# KiCad board Quanta75_BareRP2040_JLCPCBAoptimized.kicad_pcb
title: Quanta Keyboard PCB (Bare RP2040 JLCPCBA optimized); date: 2023-06-11; rev: 3.3; company: 0bsilab; note: by Lucas Placentino; note: Version with bare RP2040 microcontroller; note: JLCPCB Assembly service optimized
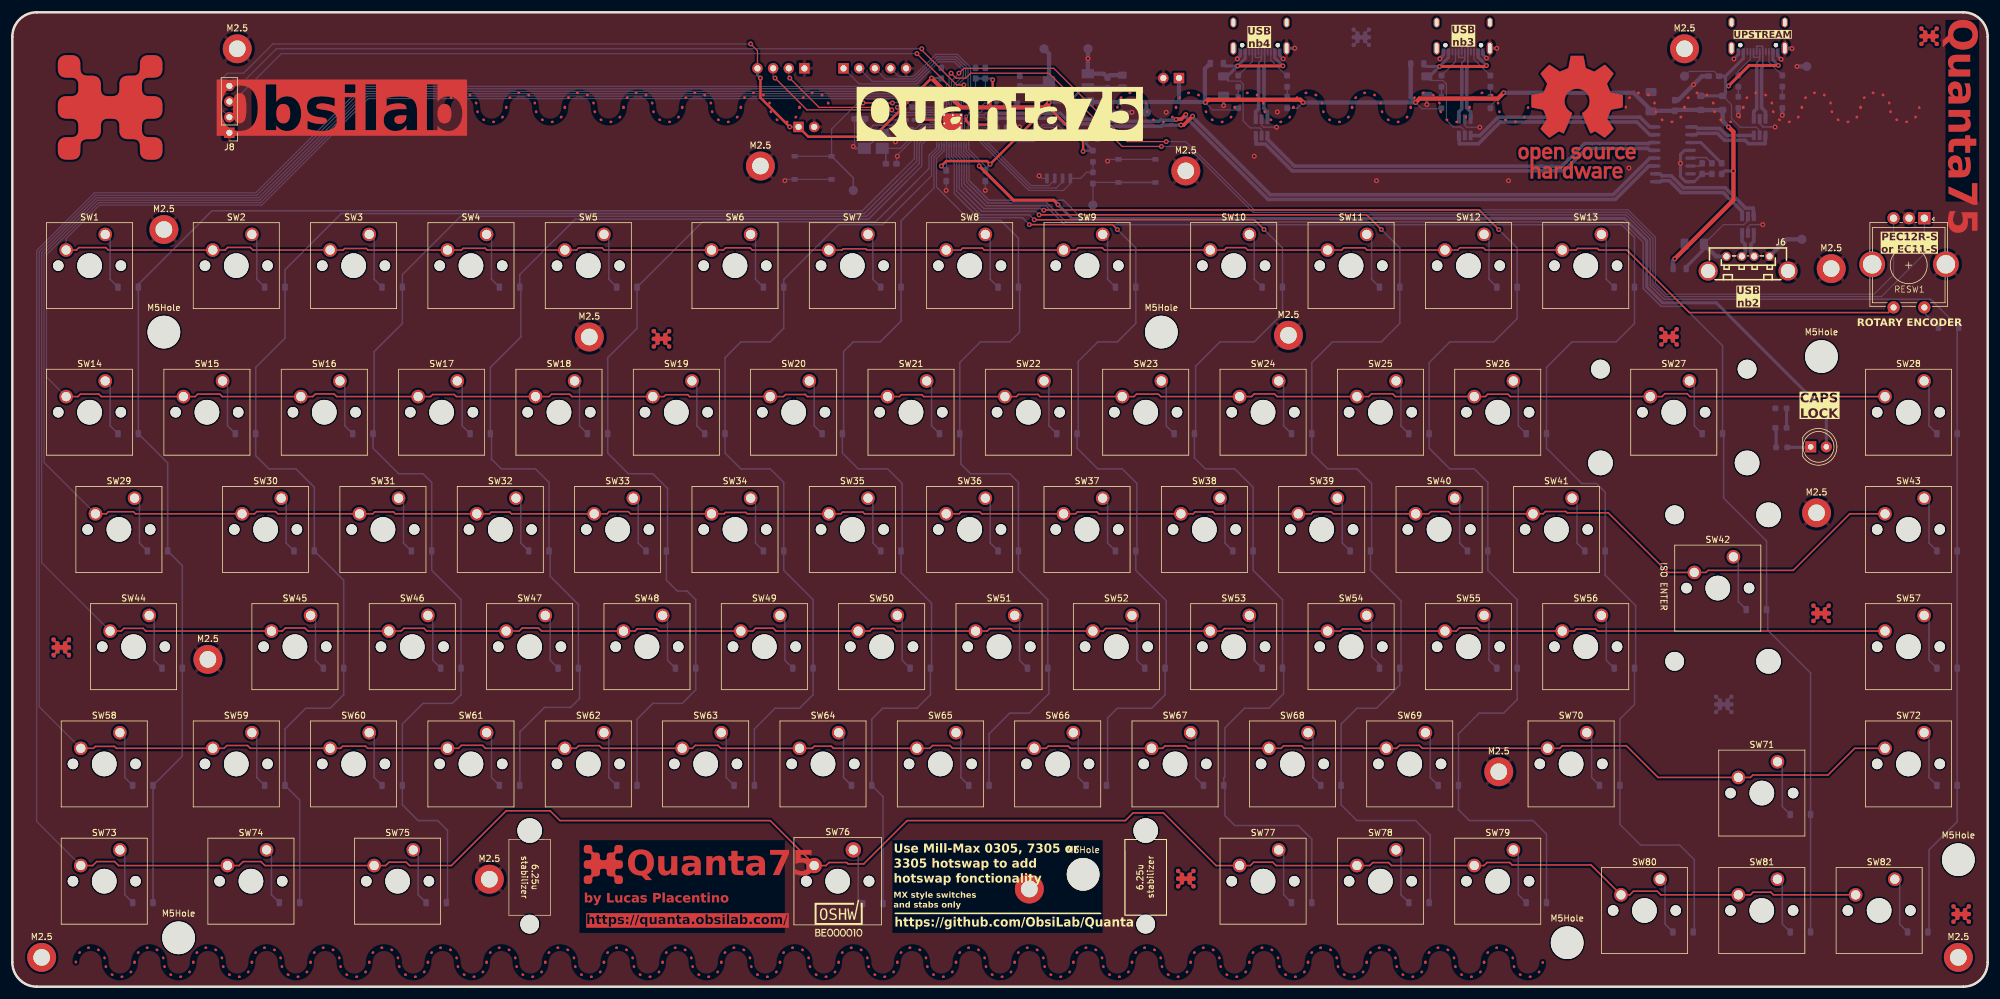
[diagram p0: board, top side]
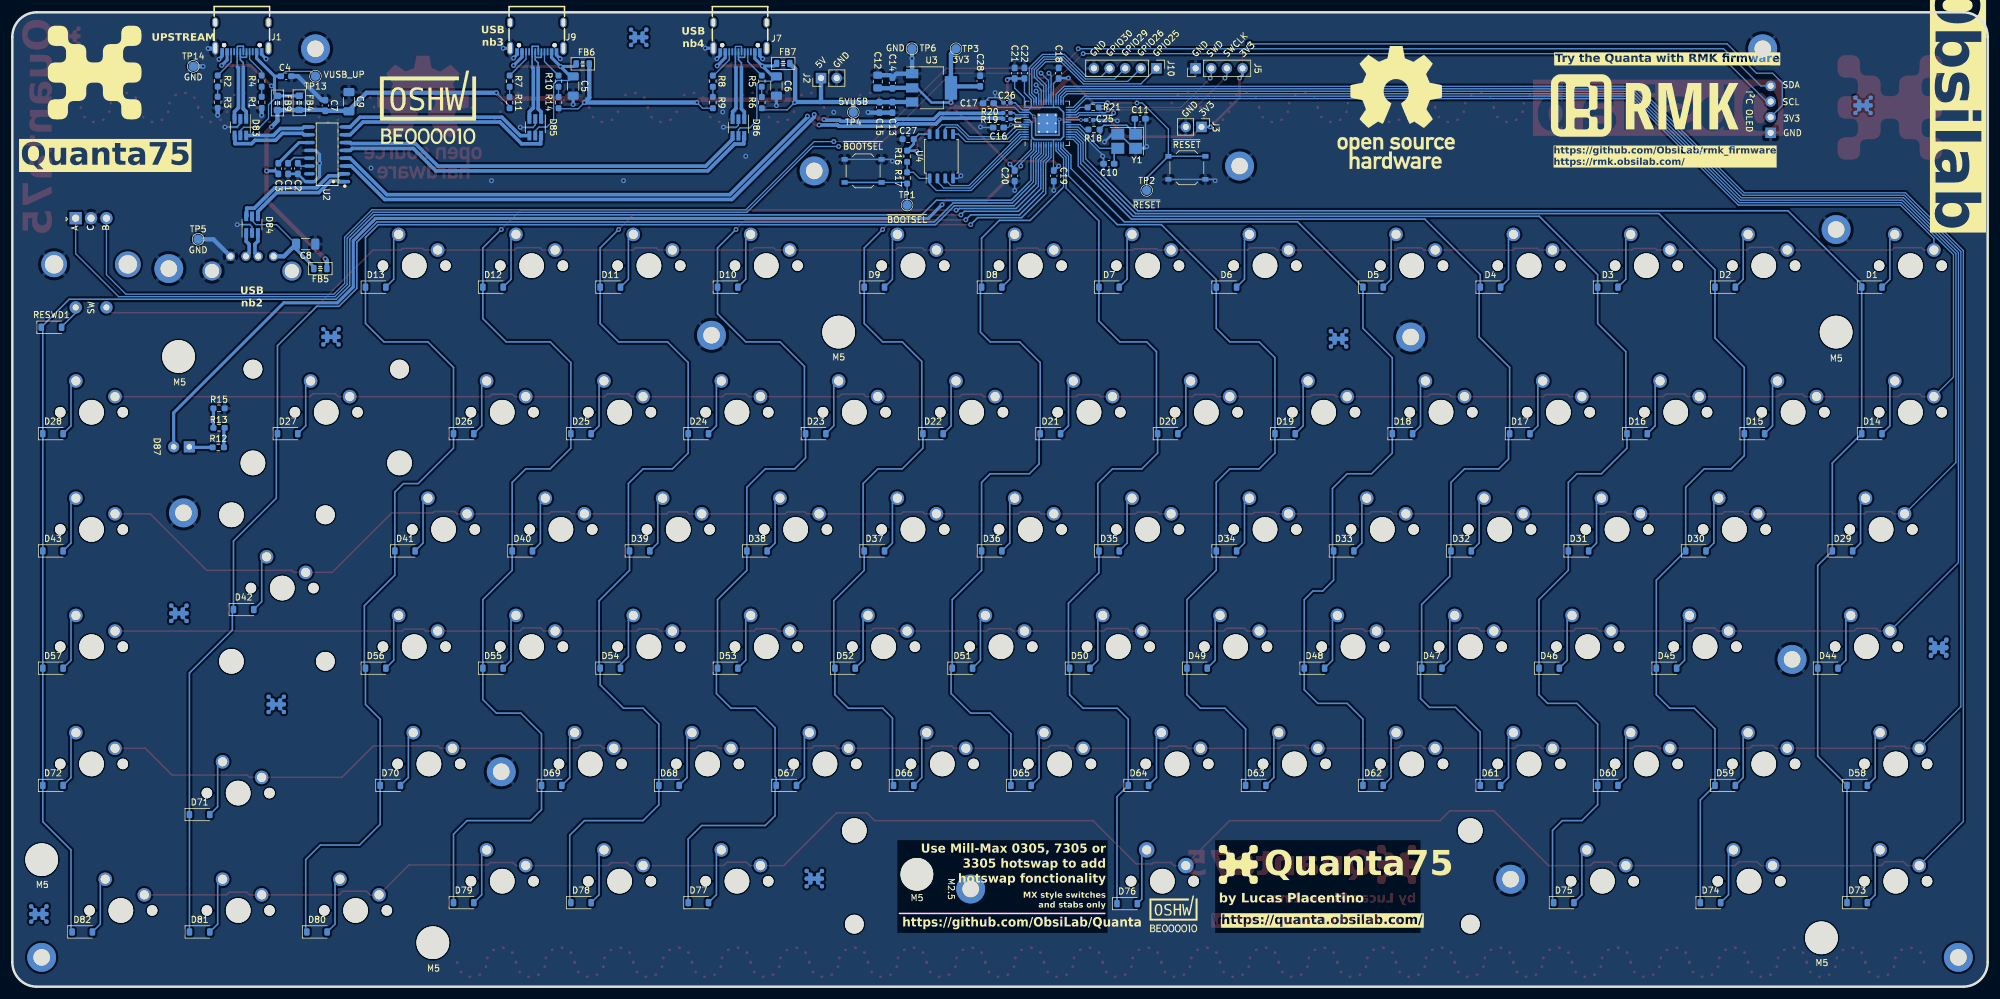
[diagram p1: board, bottom side, seen from below]

Outline 320.68 x 158.32 mm; copper layers: Top, Bottom. Coordinates in mm from the lower left corner of the outline.
Outline path: 0,3.97 0,154.36 arc(1.16,157.16) 3.97,158.32 316.71,158.32 arc(319.51,157.16) 320.68,154.36 320.68,3.97 arc(319.51,1.16) 316.71,0 3.97,0 arc(1.16,1.16) 0,3.97
Stack: Top 0.035mm / dielectric 1.51mm FR4 er 4.5 / Bottom 0.035mm

## Placement (name value [footprint] x y rotation side)
6.25u stabilizer  -  [Stabilizer_Cherry_MX_6.25u]  133.99 17.15 180 top
C1  10uF  [C_0603_1608Metric_Pad1.08x0.95mm_HandSolder]  275.9 132.93 270 bottom
C2  10uF  [C_0603_1608Metric_Pad1.08x0.95mm_HandSolder]  274.33 132.94 270 bottom
C3  100nF  [C_0603_1608Metric_Pad1.08x0.95mm_HandSolder]  277.49 132.93 270 bottom
C4  10uF  [C_0603_1608Metric_Pad1.08x0.95mm_HandSolder]  276.23 147.95 0 bottom
C5  100uF  [C_1206_3216Metric_Pad1.33x1.80mm_HandSolder]  229.63 146.35 270 bottom
C6  100uF  [C_1206_3216Metric_Pad1.33x1.80mm_HandSolder]  196.63 146.35 270 bottom
C7  100nF  [C_0603_1608Metric_Pad1.08x0.95mm_HandSolder]  269.88 143.18 270 bottom
C8  100uF  [C_1206_3216Metric_Pad1.33x1.80mm_HandSolder]  273.05 120.65 0 bottom
C9  100uF  [C_1206_3216Metric_Pad1.33x1.80mm_HandSolder]  266.03 143.8 270 bottom
C10  30pF  [C_0603_1608Metric_Pad1.08x0.95mm_HandSolder]  142.67 133.72 0 bottom
C11  30pF  [C_0603_1608Metric_Pad1.08x0.95mm_HandSolder]  137.59 141.03 180 bottom
C12  22uF  [C_0805_2012Metric_Pad1.18x1.45mm_HandSolder]  180.18 147.08 90 bottom
C13  100nF  [C_0603_1608Metric_Pad1.08x0.95mm_HandSolder]  177.8 142.88 270 bottom
C14  100nF  [C_0603_1608Metric_Pad1.08x0.95mm_HandSolder]  177.8 146.84 90 bottom
C15  10uF  [C_0603_1608Metric_Pad1.08x0.95mm_HandSolder]  179.9 142.89 90 bottom
C16  100nF  [C_0603_1608Metric_Pad1.08x0.95mm_HandSolder]  160.6 139.61 0 bottom
C17  100nF  [C_0603_1608Metric_Pad1.08x0.95mm_HandSolder]  162.23 143.55 0 bottom
C18  100nF  [C_0603_1608Metric_Pad1.08x0.95mm_HandSolder]  150.81 148.43 90 bottom
C19  100nF  [C_0603_1608Metric_Pad1.08x0.95mm_HandSolder]  151.61 131.76 270 bottom
C20  100nF  [C_0603_1608Metric_Pad1.08x0.95mm_HandSolder]  157.96 131.76 270 bottom
C21  100nF  [C_0603_1608Metric_Pad1.08x0.95mm_HandSolder]  157.96 148.43 90 bottom
C22  100nF  [C_0603_1608Metric_Pad1.08x0.95mm_HandSolder]  156.37 148.43 90 bottom
C25  1uF  [C_0402_1005Metric_Pad0.74x0.62mm_HandSolder]  145.78 140.83 180 bottom
C26  1uF  [C_0402_1005Metric_Pad0.74x0.62mm_HandSolder]  159.19 143.62 0 bottom
C27  100nF  [R_0603_1608Metric_Pad0.98x0.95mm_HandSolder]  175.24 137.72 0 bottom
C28  10uF  [C_0603_1608Metric_Pad1.08x0.95mm_HandSolder]  163.56 147.16 270 bottom
D1  DIODE  [D_SOD-123]  18.81 113.67 180 bottom
D2  DIODE  [D_SOD-123]  42.62 113.67 180 bottom
D3  DIODE  [D_SOD-123]  61.67 113.67 180 bottom
D4  DIODE  [D_SOD-123]  80.72 113.67 180 bottom
D5  DIODE  [D_SOD-123]  99.77 113.67 180 bottom
D6  DIODE  [D_SOD-123]  123.58 113.67 180 bottom
D7  DIODE  [D_SOD-123]  142.63 113.67 180 bottom
D8  DIODE  [D_SOD-123]  161.68 113.67 180 bottom
D9  DIODE  [D_SOD-123]  180.73 113.67 180 bottom
D10  DIODE  [D_SOD-123]  204.54 113.67 180 bottom
D11  DIODE  [D_SOD-123]  223.59 113.67 180 bottom
D12  DIODE  [D_SOD-123]  242.64 113.67 180 bottom
D13  DIODE  [D_SOD-123]  261.69 113.67 180 bottom
D14  DIODE  [D_SOD-123]  18.81 89.86 180 bottom
D15  DIODE  [D_SOD-123]  37.86 89.86 180 bottom
D16  DIODE  [D_SOD-123]  56.91 89.86 180 bottom
D17  DIODE  [D_SOD-123]  75.96 89.86 180 bottom
D18  DIODE  [D_SOD-123]  95.01 89.86 180 bottom
D19  DIODE  [D_SOD-123]  114.06 89.86 180 bottom
D20  DIODE  [D_SOD-123]  133.11 89.86 180 bottom
D21  DIODE  [D_SOD-123]  152.16 89.86 180 bottom
D22  DIODE  [D_SOD-123]  171.21 89.86 180 bottom
D23  DIODE  [D_SOD-123]  190.26 89.86 180 bottom
D24  DIODE  [D_SOD-123]  209.31 89.86 180 bottom
D25  DIODE  [D_SOD-123]  228.36 89.86 180 bottom
D26  DIODE  [D_SOD-123]  247.41 89.86 180 bottom
D27  DIODE  [D_SOD-123]  275.98 89.86 180 bottom
D28  DIODE  [D_SOD-123]  314.08 89.86 180 bottom
D29  DIODE  [D_SOD-123]  23.57 70.81 180 bottom
D30  DIODE  [D_SOD-123]  47.38 70.81 180 bottom
D31  DIODE  [D_SOD-123]  66.43 70.81 180 bottom
D32  DIODE  [D_SOD-123]  85.48 70.81 180 bottom
D33  DIODE  [D_SOD-123]  104.53 70.81 180 bottom
D34  DIODE  [D_SOD-123]  123.58 70.81 180 bottom
D35  DIODE  [D_SOD-123]  142.63 70.81 180 bottom
D36  DIODE  [D_SOD-123]  161.68 70.81 180 bottom
D37  DIODE  [D_SOD-123]  180.73 70.81 180 bottom
D38  DIODE  [D_SOD-123]  199.78 70.81 180 bottom
D39  DIODE  [D_SOD-123]  218.83 70.81 180 bottom
D40  DIODE  [D_SOD-123]  237.88 70.81 180 bottom
D41  DIODE  [D_SOD-123]  256.93 70.81 180 bottom
D42  DIODE  [D_SOD-123]  283.13 61.28 180 bottom
D43  DIODE  [D_SOD-123]  314.08 70.81 180 bottom
D44  DIODE  [D_SOD-123]  25.95 51.76 180 bottom
D45  DIODE  [D_SOD-123]  52.14 51.76 180 bottom
D46  DIODE  [D_SOD-123]  71.19 51.76 180 bottom
D47  DIODE  [D_SOD-123]  90.24 51.76 180 bottom
D48  DIODE  [D_SOD-123]  109.29 51.76 180 bottom
D49  DIODE  [D_SOD-123]  128.34 51.76 180 bottom
D50  DIODE  [D_SOD-123]  147.39 51.76 180 bottom
D51  DIODE  [D_SOD-123]  166.44 51.76 180 bottom
D52  DIODE  [D_SOD-123]  185.49 51.76 180 bottom
D53  DIODE  [D_SOD-123]  204.54 51.76 180 bottom
D54  DIODE  [D_SOD-123]  223.59 51.76 180 bottom
D55  DIODE  [D_SOD-123]  242.64 51.76 180 bottom
D56  DIODE  [D_SOD-123]  261.69 51.76 180 bottom
D57  DIODE  [D_SOD-123]  314.08 51.76 180 bottom
D58  DIODE  [D_SOD-123]  21.19 32.71 180 bottom
D59  DIODE  [D_SOD-123]  42.62 32.71 180 bottom
D60  DIODE  [D_SOD-123]  61.67 32.71 180 bottom
D61  DIODE  [D_SOD-123]  80.72 32.71 180 bottom
D62  DIODE  [D_SOD-123]  99.77 32.71 180 bottom
D63  DIODE  [D_SOD-123]  118.82 32.71 180 bottom
D64  DIODE  [D_SOD-123]  137.87 32.71 180 bottom
D65  DIODE  [D_SOD-123]  156.92 32.71 180 bottom
D66  DIODE  [D_SOD-123]  175.97 32.71 180 bottom
D67  DIODE  [D_SOD-123]  195.02 32.71 180 bottom
D68  DIODE  [D_SOD-123]  214.07 32.71 180 bottom
D69  DIODE  [D_SOD-123]  233.12 32.71 180 bottom
D70  DIODE  [D_SOD-123]  259.31 32.71 180 bottom
D71  DIODE  [D_SOD-123]  290.27 27.97 180 bottom
D72  DIODE  [D_SOD-123]  314.08 32.71 180 bottom
D73  DIODE  [D_SOD-123]  21.19 13.66 180 bottom
D74  DIODE  [D_SOD-123]  45 13.66 180 bottom
D75  DIODE  [D_SOD-123]  68.81 13.66 180 bottom
D76  DIODE  [D_SOD-123]  139.7 13.49 180 bottom
D77  DIODE  [D_SOD-123]  209.31 13.66 180 bottom
D78  DIODE  [D_SOD-123]  228.36 13.66 180 bottom
D79  DIODE  [D_SOD-123]  247.41 13.66 180 bottom
D80  DIODE  [D_SOD-123]  271.22 8.89 180 bottom
D81  DIODE  [D_SOD-123]  290.27 8.89 180 bottom
D82  DIODE  [D_SOD-123]  309.32 8.89 180 bottom
D83  USBLC6-2SC6  [SOT-23-6_Handsoldering]  283.66 139.66 270 bottom
D84  USBLC6-2SC6  [SOT-23-6_Handsoldering]  281.76 123.83 90 bottom
D85  USBLC6-2SC6  [SOT-23-6_Handsoldering]  235.78 139.64 270 bottom
D86  USBLC6-2SC6  [SOT-23-6_Handsoldering]  202.8 139.61 270 bottom
D87  Amber LED  [LED_D5.0mm_Clear]  291.94 87.72 0 top
FB4  100R 800mA  [Ferrite_0805_2012Metric_Pad1.05x1.20mm_BigPads]  274.11 143.61 270 bottom
FB5  600R 500mA  [Ferrite_0805_2012Metric]  270.67 116.68 0 bottom
FB6  600R 500mA  [Ferrite_0805_2012Metric]  228.08 149.94 0 bottom
FB7  600R 500mA  [Ferrite_0805_2012Metric]  195.53 150.02 0 bottom
FB9  100R 800mA  [Ferrite_0805_2012Metric_Pad1.05x1.20mm_BigPads]  277.65 143.59 270 bottom
G***  -  [LOGO]  134.14 11.11 0 top
G***#2  -  [LOGO]  253.21 142.88 180 bottom
G***#3  -  [LOGO]  132.18 11.81 180 bottom
J1  USB_C_Receptacle_USB2.0  [USB-C-SMD_G-SWITCH_GT-USB-7010EN]  283.41 154.3 0 bottom
J2  Conn_01x02_Socket VBUS 5V  [PinHeader_1x02_P2.54mm_Vertical]  189.39 147.64 90 bottom
J3  Conn_01x02_Socket 3V3  [PinHeader_1x02_P2.54mm_Vertical]  127.64 139.7 270 bottom
J5  Conn_01x04_Socket SWD  [PinHeader_1x04_P2.54mm_Vertical]  128.59 149.22 90 bottom
J6  USB_A_Receptacle_UBS2.0  [USB-A-TH_KH-AF180ZJ-13.7]  281.78 117.47 0 top
J7  USB_C_Receptacle_USB2.0  [USB-C-SMD_G-SWITCH_GT-USB-7010EN]  202.54 154.28 0 bottom
J8  Conn_01x04_Socket I2C display  [PinHeader_1x04_P2.54mm_Vertical]  35.24 138.75 180 top
J9  USB_C_Receptacle_USB2.0  [USB-C-SMD_G-SWITCH_GT-USB-7010EN]  235.53 154.28 0 bottom
J10  Conn_01x05_Socket GPIOs  [PinHeader_1x05_P2.54mm_Vertical]  134.93 149.22 270 bottom
M2.5  -  [MountingHole_2.7mm_M2.5_DIN965_Pad]  292.89 76.99 0 top
M2.5#2  -  [MountingHole_2.7mm_M2.5_DIN965_Pad]  93.66 105.57 0 top
M2.5#3  -  [MountingHole_2.7mm_M2.5_DIN965_Pad]  315.91 4.76 0 top
M2.5#4  -  [MountingHole_2.7mm_M2.5_DIN965_Pad]  31.75 53.18 0 top
M2.5#5  -  [MountingHole_2.7mm_M2.5_DIN965_Pad]  295.28 116.68 0 top
M2.5#6  -  [MountingHole_2.7mm_M2.5_DIN965_Pad]  207.17 105.85 0 top
M2.5#7  -  [MountingHole_2.7mm_M2.5_DIN965_Pad]  271.46 152.4 0 top
M2.5#8  -  [MountingHole_2.7mm_M2.5_DIN965_Pad]  190.5 132.56 0 top
M2.5#9  -  [MountingHole_2.7mm_M2.5_DIN965_Pad]  36.51 152.4 0 top
M2.5#10  -  [MountingHole_2.7mm_M2.5_DIN965_Pad]  24.61 123.03 0 top
M2.5#11  -  [MountingHole_2.7mm_M2.5_DIN965_Pad]  77.44 17.46 0 top
M2.5#12  -  [MountingHole_2.7mm_M2.5_DIN965_Pad]  241.3 34.93 0 top
M2.5#13  -  [MountingHole_2.7mm_M2.5_DIN965_Pad]  121.44 133.35 0 top
M2.5#14  -  [MountingHole_2.7mm_M2.5_DIN965_Pad]  4.76 4.76 0 top
M2.5#15  -  [MountingHole_2.7mm_M2.5_DIN965_Pad]  165.1 15.88 0 top
M5Hole  -  [MountingHole_5.3mm_M5]  315.91 20.64 0 top
M5Hole#2  -  [MountingHole_5.3mm_M5]  186.53 106.36 0 top
M5Hole#3  -  [MountingHole_5.3mm_M5]  24.61 106.36 0 top
M5Hole#4  -  [MountingHole_5.3mm_M5]  173.83 18.26 0 top
M5Hole#5  -  [MountingHole_5.3mm_M5]  293.69 102.39 0 top
M5Hole#6  -  [MountingHole_5.3mm_M5]  26.99 7.94 0 top
M5Hole#7  -  [MountingHole_5.3mm_M5]  252.41 7.14 0 top
OSHW-logo  -  [OSHW-Logo_19x20mm_Copper]  96.04 142.88 180 bottom
Quanta***  LOGO  [Quanta-logo]  15.88 142.88 0 top
R1  120R  [R_0603_1608Metric_Pad0.98x0.95mm_HandSolder]  280.19 143.69 270 bottom
R2  4k99  [R_0603_1608Metric_Pad0.98x0.95mm_HandSolder]  287.34 147.15 270 bottom
R3  120R  [R_0603_1608Metric_Pad0.98x0.95mm_HandSolder]  287.34 143.7 270 bottom
R4  4k99  [R_0603_1608Metric_Pad0.98x0.95mm_HandSolder]  280.19 147.15 270 bottom
R5  43k  [R_0603_1608Metric_Pad0.98x0.95mm_HandSolder]  199.01 147.14 270 bottom
R6  15k  [R_0603_1608Metric_Pad0.98x0.95mm_HandSolder]  199.01 143.66 270 bottom
R7  43k  [R_0603_1608Metric_Pad0.98x0.95mm_HandSolder]  239.95 147.14 270 bottom
R8  43k  [R_0603_1608Metric_Pad0.98x0.95mm_HandSolder]  206.95 147.14 270 bottom
R9  15k  [R_0603_1608Metric_Pad0.98x0.95mm_HandSolder]  206.95 143.66 270 bottom
R10  43k  [R_0603_1608Metric_Pad0.98x0.95mm_HandSolder]  232.01 147.14 270 bottom
R11  15k  [R_0603_1608Metric_Pad0.98x0.95mm_HandSolder]  239.95 143.65 270 bottom
R12  120R  [R_0603_1608Metric_Pad0.98x0.95mm_HandSolder]  287.24 87.63 180 bottom
R13  120R  [R_0603_1608Metric_Pad0.98x0.95mm_HandSolder]  287.12 90.81 0 bottom
R14  15k  [R_0603_1608Metric_Pad0.98x0.95mm_HandSolder]  232 143.66 270 bottom
R15  120R  [R_0603_1608Metric_Pad0.98x0.95mm_HandSolder]  287.12 93.98 180 bottom
R16  10K  [R_0603_1608Metric_Pad0.98x0.95mm_HandSolder]  175.42 134.94 90 bottom
R17  1K5  [R_0603_1608Metric_Pad0.98x0.95mm_HandSolder]  175.42 131.41 90 bottom
R18  1K5  [R_0603_1608Metric_Pad0.98x0.95mm_HandSolder]  145.08 139.28 180 bottom
R19  22R  [R_0402_1005Metric_Pad0.72x0.64mm_HandSolder]  159.23 140.98 0 bottom
R20  22R  [R_0402_1005Metric_Pad0.72x0.64mm_HandSolder]  159.23 142 0 bottom
R21  15k  [R_0603_1608Metric_Pad0.98x0.95mm_HandSolder]  145.21 142.88 180 bottom
REF**  -  [OSHW-Logo_19x20mm_Copper]  254 141.29 0 top
RESW1  RotaryEncoder_Switch  [RotaryEncoder_both_AlpsEC11E-S_BournsPEC12R-3-S]  298.45 117.28 270 top
RESWD1  DIODE  [D_SOD-123]  314.33 107.16 180 bottom
SW1  SW_Push  [SW_Cherry_MX_1.00u_PCB]  15.08 122.24 0 top
SW2  SW_Push  [SW_Cherry_MX_1.00u_PCB]  38.89 122.24 0 top
SW3  SW_Push  [SW_Cherry_MX_1.00u_PCB]  57.94 122.24 0 top
SW4  SW_Push  [SW_Cherry_MX_1.00u_PCB]  76.99 122.24 0 top
SW5  SW_Push  [SW_Cherry_MX_1.00u_PCB]  96.04 122.24 0 top
SW6  SW_Push  [SW_Cherry_MX_1.00u_PCB]  119.86 122.24 0 top
SW7  SW_Push  [SW_Cherry_MX_1.00u_PCB]  138.91 122.24 0 top
SW8  SW_Push  [SW_Cherry_MX_1.00u_PCB]  157.96 122.24 0 top
SW9  SW_Push  [SW_Cherry_MX_1.00u_PCB]  177.01 122.24 0 top
SW10  SW_Push  [SW_Cherry_MX_1.00u_PCB]  200.82 122.24 0 top
SW11  SW_Push  [SW_Cherry_MX_1.00u_PCB]  219.87 122.24 0 top
SW12  SW_Push  [SW_Cherry_MX_1.00u_PCB]  238.92 122.24 0 top
SW13  SW_Push  [SW_Cherry_MX_1.00u_PCB]  257.97 122.24 0 top
SW14  SW_Push  [SW_Cherry_MX_1.00u_PCB]  15.08 98.43 0 top
SW15  SW_Push  [SW_Cherry_MX_1.00u_PCB]  34.13 98.43 0 top
SW16  SW_Push  [SW_Cherry_MX_1.00u_PCB]  53.18 98.43 0 top
SW17  SW_Push  [SW_Cherry_MX_1.00u_PCB]  72.23 98.43 0 top
SW18  SW_Push  [SW_Cherry_MX_1.00u_PCB]  91.28 98.43 0 top
SW19  SW_Push  [SW_Cherry_MX_1.00u_PCB]  110.33 98.43 0 top
SW20  SW_Push  [SW_Cherry_MX_1.00u_PCB]  129.38 98.43 0 top
SW21  SW_Push  [SW_Cherry_MX_1.00u_PCB]  148.43 98.43 0 top
SW22  SW_Push  [SW_Cherry_MX_1.00u_PCB]  167.48 98.43 0 top
SW23  SW_Push  [SW_Cherry_MX_1.00u_PCB]  186.53 98.43 0 top
SW24  SW_Push  [SW_Cherry_MX_1.00u_PCB]  205.58 98.43 0 top
SW25  SW_Push  [SW_Cherry_MX_1.00u_PCB]  224.63 98.43 0 top
SW26  SW_Push  [SW_Cherry_MX_1.00u_PCB]  243.68 98.43 0 top
SW27  SW_Push  [SW_Cherry_MX_2.00u_PCB]  272.26 98.43 0 top
SW28  SW_Push  [SW_Cherry_MX_1.00u_PCB]  310.36 98.43 0 top
SW29  SW_Push  [SW_Cherry_MX_1.50u_PCB]  19.84 79.38 0 top
SW30  SW_Push  [SW_Cherry_MX_1.00u_PCB]  43.66 79.38 0 top
SW31  SW_Push  [SW_Cherry_MX_1.00u_PCB]  62.71 79.38 0 top
SW32  SW_Push  [SW_Cherry_MX_1.00u_PCB]  81.76 79.38 0 top
SW33  SW_Push  [SW_Cherry_MX_1.00u_PCB]  100.81 79.38 0 top
SW34  SW_Push  [SW_Cherry_MX_1.00u_PCB]  119.86 79.38 0 top
SW35  SW_Push  [SW_Cherry_MX_1.00u_PCB]  138.91 79.38 0 top
SW36  SW_Push  [SW_Cherry_MX_1.00u_PCB]  157.96 79.38 0 top
SW37  SW_Push  [SW_Cherry_MX_1.00u_PCB]  177.01 79.38 0 top
SW38  SW_Push  [SW_Cherry_MX_1.00u_PCB]  196.06 79.38 0 top
SW39  SW_Push  [SW_Cherry_MX_1.00u_PCB]  215.11 79.38 0 top
SW40  SW_Push  [SW_Cherry_MX_1.00u_PCB]  234.16 79.38 0 top
SW41  SW_Push  [SW_Cherry_MX_1.00u_PCB]  253.21 79.38 0 top
SW42  SW_Push  [SW_Cherry_MX_ISOEnter_PCB]  279.4 69.85 0 top
SW43  SW_Push  [SW_Cherry_MX_1.00u_PCB]  310.36 79.38 0 top
SW44  SW_Push  [SW_Cherry_MX_1.75u_PCB]  22.23 60.32 0 top
SW45  SW_Push  [SW_Cherry_MX_1.00u_PCB]  48.42 60.32 0 top
SW46  SW_Push  [SW_Cherry_MX_1.00u_PCB]  67.47 60.32 0 top
SW47  SW_Push  [SW_Cherry_MX_1.00u_PCB]  86.52 60.32 0 top
SW48  SW_Push  [SW_Cherry_MX_1.00u_PCB]  105.57 60.32 0 top
SW49  SW_Push  [SW_Cherry_MX_1.00u_PCB]  124.62 60.32 0 top
SW50  SW_Push  [SW_Cherry_MX_1.00u_PCB]  143.67 60.32 0 top
SW51  SW_Push  [SW_Cherry_MX_1.00u_PCB]  162.72 60.32 0 top
SW52  SW_Push  [SW_Cherry_MX_1.00u_PCB]  181.77 60.32 0 top
SW53  SW_Push  [SW_Cherry_MX_1.00u_PCB]  200.82 60.32 0 top
SW54  SW_Push  [SW_Cherry_MX_1.00u_PCB]  219.87 60.32 0 top
SW55  SW_Push  [SW_Cherry_MX_1.00u_PCB]  238.92 60.32 0 top
SW56  SW_Push  [SW_Cherry_MX_1.00u_PCB]  257.97 60.32 0 top
SW57  SW_Push  [SW_Cherry_MX_1.00u_PCB]  310.36 60.32 0 top
SW58  SW_Push  [SW_Cherry_MX_1.25u_PCB]  17.46 41.28 0 top
SW59  SW_Push  [SW_Cherry_MX_1.00u_PCB]  38.89 41.28 0 top
SW60  SW_Push  [SW_Cherry_MX_1.00u_PCB]  57.94 41.28 0 top
SW61  SW_Push  [SW_Cherry_MX_1.00u_PCB]  76.99 41.28 0 top
SW62  SW_Push  [SW_Cherry_MX_1.00u_PCB]  96.04 41.28 0 top
SW63  SW_Push  [SW_Cherry_MX_1.00u_PCB]  115.09 41.28 0 top
SW64  SW_Push  [SW_Cherry_MX_1.00u_PCB]  134.14 41.28 0 top
SW65  SW_Push  [SW_Cherry_MX_1.00u_PCB]  153.19 41.28 0 top
SW66  SW_Push  [SW_Cherry_MX_1.00u_PCB]  172.24 41.28 0 top
SW67  SW_Push  [SW_Cherry_MX_1.00u_PCB]  191.29 41.28 0 top
SW68  SW_Push  [SW_Cherry_MX_1.00u_PCB]  210.34 41.28 0 top
SW69  SW_Push  [SW_Cherry_MX_1.00u_PCB]  229.39 41.28 0 top
SW70  SW_Push  [SW_Cherry_MX_1.75u_PCB]  255.59 41.28 0 top
SW71  SW_Push  [SW_Cherry_MX_1.00u_PCB]  286.55 36.54 0 top
SW72  SW_Push  [SW_Cherry_MX_1.00u_PCB]  310.36 41.28 0 top
SW73  SW_Push  [SW_Cherry_MX_1.25u_PCB]  17.46 22.22 0 top
SW74  SW_Push  [SW_Cherry_MX_1.25u_PCB]  41.28 22.22 0 top
SW75  SW_Push  [SW_Cherry_MX_1.25u_PCB]  65.09 22.22 0 top
SW76  SW_Push  [SW_Cherry_MX_PCB_6.25u]  133.99 17.15 0 top
SW77  SW_Push  [SW_Cherry_MX_1.00u_PCB]  205.58 22.22 0 top
SW78  SW_Push  [SW_Cherry_MX_1.00u_PCB]  224.63 22.22 0 top
SW79  SW_Push  [SW_Cherry_MX_1.00u_PCB]  243.68 22.22 0 top
SW80  SW_Push  [SW_Cherry_MX_1.00u_PCB]  267.49 17.46 0 top
SW81  SW_Push  [SW_Cherry_MX_1.00u_PCB]  286.54 17.46 0 top
SW82  SW_Push  [SW_Cherry_MX_1.00u_PCB]  305.59 17.46 0 top
TP1  BOOTSEL  [TestPoint_Pad_D1.5mm]  175.42 127 180 bottom
TP2  ~{RESET}  [TestPoint_Pad_D1.5mm]  136.53 129.38 180 bottom
TP3  3V3  [TestPoint_Pad_D1.5mm]  167.48 152.4 180 bottom
TP4  5VUSB  [TestPoint_Pad_D1.5mm]  184.15 142.08 0 bottom
TP5  GND  [TestPoint_Pad_D1.5mm]  290.51 121.44 180 bottom
TP6  GND  [TestPoint_Pad_D1.5mm]  174.63 152.4 180 bottom
TP13  VBUS_UP  [TestPoint_Pad_D1.5mm]  271.46 147.95 0 bottom
TP14  GND  [TestPoint_Pad_D1.5mm]  291.31 149.53 180 bottom
U1  RP2040  [QFN-56-1EP_7x7mm_P0.4mm_EP3.2x3.2mm_ThermalVias]  152.66 140.28 90 bottom
U2  SL2.1A  [SOP-16_L10.0-W3.9-P1.27-LS6.0-BL]  269.57 135.26 90 bottom
U3  AMS1117-3.3  [SOT-223-3_TabPin2]  171.45 146.05 180 bottom
U4  W25Q128JVS  [SOIC-8_5.23x5.23mm_P1.27mm]  169.86 134.94 90 bottom
Y1  12MHz  [Crystal_SMD_3225-4Pin_3.2x2.5mm_HandSoldering]  139.77 137.38 0 bottom
~{BOOTSEL}  ~{BOOTSEL}  [SW_Push_1P1T_XKB_TS-1187A]  182.56 132.56 0 bottom
~{RESET}  ~{RESET(RUN)}  [SW_Push_1P1T_XKB_TS-1187A]  130 133.06 0 bottom

## Library data of the parts
C1 C2 C4 C15 C28 = -: Description: Unpolarized capacitor; JLCPCB: C96446
C3 C7 = -: Description: Unpolarized capacitor; JLCPCB: C14663
C5 C6 C8 C9 = -: Description: Unpolarized capacitor, small symbol; JLCPCB: C15008
C10 C11 = -: Description: Unpolarized capacitor, small symbol; JLCPCB: C1658
C12 = -: Description: Unpolarized capacitor, small symbol; JLCPCB: C45783
C13 C14 C16-C22 C27 = -: Description: Unpolarized capacitor, small symbol; JLCPCB: C14663
C25 C26 = -: Description: Unpolarized capacitor, small symbol; JLCPCB: C52923
D1 = -: Description: Diode symbol for simulation only. Pin order incompatible with official kicad footprints; JLCPCB: C81598
D2-D82 RESWD1 = -: Description: Diode symbol for simulation only. Pin order incompatible with official kicad footprints
D83-D86 = -: Description: SOT-23-6 TVS Diode Array, 2 protected lines, positive connection, 5.25V, Alternate KiCAD Library
D87 = -: Description: Light emitting diode
FB4 FB9 = -: Description: Ferrite bead, small symbol; JLCPCB part number: C1015
FB5 = -: Description: Ferrite bead, small symbol; JLCPCB part number: C1017
FB6 FB7 = -: Description: Ferrite bead, small symbol; JLCPCB part numb: C1017
J1 J7 J9 = -: Description: USB 2.0-only Type-C Receptacle connector; JLCPCB: C3001293
J2 J3 = -: Description: Generic connector, single row, 01x02, script generated
J5 J8 = -: Description: Generic connector, single row, 01x04, script generated
J6 = -: Description: USB Type A connector; JLCPCB: C2833345
J10 = -: Description: Generic connector, single row, 01x05, script generated
R1 R3 R12 R13 R15 = -: Description: Resistor; JLCPCB: C22787
R2 R4 = -: Description: Resistor; JLCPCB: C23046
R5 R7 R8 R10 = -: Description: Resistor, small symbol; JLCPCB: C23172
R6 R9 R11 R14 R21 = -: Description: Resistor, small symbol; JLCPCB: C22809
R16 = -: Description: Resistor, small symbol; Sim.Enable: 0
R17 R18 = -: Description: Resistor, small symbol; JLCPCB: C22843
R19 R20 = -: Description: Resistor, small symbol; JLCPCB: C25092
RESW1 = -: Description: Rotary encoder, dual channel, incremental quadrate outputs, with switch
SW1-SW82 = -: Description: Push button switch, generic, two pins
TP1-TP6 TP13 TP14 = -: Description: test point
U1 = -: JLC Part: Extended Part; LCSC Part: C2040; Manufacturer: Raspberry Pi(树莓派)
U2 = -: Datasheets: https://datasheet.lcsc.com/lcsc/1811151645_CoreChips-SL2-1A_C192893.pdf; JLC Part: Extended Part; LCSC Part: C192893; Manufacturer: CoreChips(和芯润德)
U3 = -: Description: 1A Low Dropout regulator, positive, 3.3V fixed output, SOT-223; JLCPCB: C6186
U4 = -: Description: 128Mb Serial Flash Memory, Standard/Dual/Quad SPI, SOIC-8; JLCPCB: C97521
Y1 = -: Description: Four pin crystal, GND on pins 2 and 4, small symbol; JLCPCB: C9002
~{BOOTSEL} ~{RESET} = -: Description: Push button switch, generic, two pins; JLCPCB: C318884
